# KiCad board haptic display 8x8 aisler.kicad_pcb (continued)
## Routing (per net, layer and track width the routed paths; a pad name or vN(x,y) marks a point on that pad's centre or on a via; arc(x,y) is an arc through that point) (continued)
47.95,68.55 48.22,68.69 48.51,68.81 48.8,68.91 49.09,68.98 49.39,69.04 49.7,69.07 50,69.08 50.3,69.06 50.61,69.02 50.9,68.96 51.2,68.88 51.48,68.78 51.76,68.66 52.03,68.51 52.28,68.35 52.52,68.17 52.75,67.97 52.96,67.75 53.16,67.52 53.33,67.27 53.49,67.02 53.63,66.75 53.75,66.47 53.85,66.19 53.92,65.89 53.97,65.6 54,65.3 54.01,65 54,64.7 53.96,64.4 53.9,64.11 53.82,63.82 53.72,63.54 53.6,63.27 53.46,63 53.3,62.75 53.12,62.51 52.92,62.29 52.71,62.08 52.48,61.89 52.24,61.72 51.99,61.56 51.72,61.43 51.45,61.31 51.17,61.21 50.88,61.14 50.59,61.09 50.3,61.06 50,61.05 49.69,61.07 49.38,61.1 49.08,61.17 48.78,61.26 48.49,61.37 48.22,61.5 47.95,61.65 47.69,61.82 47.45,62.02 47.23,62.23 47.02,62.46 46.83,62.7 46.67,62.96 46.52,63.23 46.39,63.51 46.29,63.79 46.21,64.09 46.15,64.39 46.12,64.69 46.11,65 46.13,65.3 46.17,65.61 46.23,65.91 46.31,66.2 46.42,66.48 46.55,66.76 46.7,67.02 46.88,67.27 47.07,67.51 47.27,67.73 47.5,67.93 47.74,68.11 47.99,68.28 48.25,68.42 48.53,68.55 48.81,68.65 49.1,68.73 49.4,68.78 49.7,68.82 50,68.83 50.3,68.81 50.6,68.77 50.89,68.71 51.18,68.63 51.46,68.52 51.73,68.39 51.99,68.24 52.23,68.07 52.47,67.89 52.68,67.68 52.88,67.46 53.06,67.23 53.23,66.98 53.37,66.72 53.49,66.45 53.59,66.17 53.67,65.88 53.72,65.59 53.75,65.3 53.76,65 53.75,64.71 53.71,64.41 53.65,64.12 53.57,63.84 53.46,63.57 53.34,63.3 53.19,63.05 53.02,62.8 52.84,62.57 52.64,62.36 52.42,62.17 52.19,61.99 51.94,61.83 51.69,61.69 51.42,61.57 51.15,61.47 50.87,61.39 50.58,61.34 50.29,61.31 50,61.3 49.69,61.32 49.39,61.36 49.09,61.42 48.8,61.51 48.52,61.63 48.25,61.76 47.99,61.92 47.74,62.1 47.51,62.3 47.3,62.52 47.11,62.75 46.94,63 46.78,63.26 46.65,63.53 46.55,63.81 46.46,64.1 46.41,64.4 46.37,64.7 46.36,65 46.38,65.3 46.42,65.6 46.48,65.89 46.57,66.18 46.68,66.45 46.82,66.72 46.97,66.98 47.15,67.22 47.35,67.44 47.56,67.65 47.79,67.84 48.03,68.01 48.29,68.16 48.56,68.29 48.83,68.39 49.12,68.48 49.41,68.53 49.7,68.57 50,68.58 50.29,68.56 50.59,68.52 50.88,68.46 51.16,68.37 51.43,68.26 51.69,68.13 51.94,67.97 52.18,67.8 52.4,67.61 52.61,67.4 52.79,67.17 52.96,66.93 53.11,66.68 53.23,66.42 53.33,66.14 53.41,65.86 53.47,65.58 53.5,65.29 53.51,65 53.5,64.71 53.46,64.42 53.4,64.14 53.31,63.86 53.2,63.6 53.07,63.34 52.92,63.09 52.75,62.86 52.56,62.64 52.36,62.44 52.14,62.26 51.9,62.09 51.65,61.95 51.39,61.83 51.12,61.72 50.85,61.65 50.57,61.59 50.29,61.56 50,61.55 49.7,61.57 49.4,61.61 49.11,61.68 48.82,61.77 48.55,61.89 48.29,62.03 48.04,62.19 47.8,62.38 47.58,62.58 47.38,62.8 47.21,63.04 47.05,63.3 46.91,63.56 46.8,63.84 46.72,64.12 46.66,64.41 46.62,64.7 46.61,65 46.63,65.29 46.67,65.59 46.74,65.87 46.83,66.15 46.95,66.42 47.08,66.68 47.25,66.93 47.43,67.16 47.63,67.37 47.84,67.57 48.08,67.74 48.33,67.9 48.59,68.03 48.86,68.14 49.14,68.22 49.42,68.28 49.71,68.32 50,68.33 50.29,68.31 50.58,68.27 50.86,68.2 51.13,68.11 51.4,68 51.65,67.86 51.89,67.7 52.12,67.53 52.33,67.33 52.52,67.11 52.69,66.89 52.84,66.64 52.97,66.39 53.08,66.12 53.16,65.85 53.22,65.57 53.25,65.28 53.26,65 53.25,64.72 53.21,64.43 53.14,64.16 53.05,63.89 52.94,63.63 52.81,63.38 52.65,63.14 52.48,62.92 52.28,62.72 52.07,62.53 51.85,62.36 51.61,62.21 51.36,62.08 51.1,61.98 50.83,61.9 50.56,61.84 50.28,61.81 50,61.8 49.71,61.82 49.41,61.86 49.13,61.93 48.85,62.03 48.58,62.15 48.33,62.3 48.09,62.47 47.86,62.66 47.66,62.87 47.48,63.09 47.31,63.34 47.17,63.59 47.06,63.86 46.97,64.14 46.91,64.42 46.87,64.71 46.86,65 46.88,65.29 46.92,65.58 46.99,65.86 47.09,66.13 47.21,66.39 47.35,66.64 47.52,66.88 47.7,67.09 47.91,67.29 48.13,67.47 48.37,67.63 48.62,67.77 48.88,67.88 49.16,67.97 49.43,68.03 49.72,68.07 50,68.08 50.28,68.06 50.56,68.02 50.84,67.95 51.11,67.85 51.36,67.74 51.61,67.6 51.84,67.43 52.05,67.25 52.25,67.05 52.42,66.83 52.58,66.6 52.71,66.35 52.82,66.09 52.91,65.83 52.97,65.55 53,65.28 53.01,65 53,64.72 52.95,64.45 52.89,64.18 52.8,63.92 52.68,63.67 52.54,63.43 52.38,63.2 52.2,62.99 52.01,62.8 51.79,62.63 51.56,62.47 51.32,62.34 51.07,62.24 50.81,62.15 50.54,62.09 50.27,62.06 50,62.05 49.71,62.07 49.43,62.11 49.15,62.19 48.88,62.29 48.62,62.42 48.37,62.57 48.15,62.74 47.94,62.94 47.75,63.15 47.58,63.38 47.44,63.63 47.32,63.89 47.23,64.16 47.16,64.44 47.12,64.72 47.11,65 47.13,65.28 47.18,65.56 47.25,65.83 47.35,66.1 47.47,66.35 47.62,66.59 47.79,66.81 47.98,67.02 48.19,67.2 48.42,67.37 48.66,67.51 48.91,67.62 49.18,67.71 49.45,67.78 49.72,67.82 50,67.83 50.28,67.81 50.55,67.76 50.82,67.69 51.08,67.6 51.32,67.47 51.56,67.33 51.77,67.16 51.98,66.98 52.16,66.77 52.32,66.55 52.45,66.31 52.57,66.06 52.65,65.81 52.72,65.54 52.75,65.27 52.76,65 52.75,64.73 52.7,64.46 52.63,64.2 52.54,63.95 52.42,63.71 52.28,63.48 52.11,63.26 51.93,63.07 51.73,62.89 51.51,62.74 51.28,62.6 51.04,62.49 50.79,62.41 50.53,62.34 50.27,62.31 50,62.3 49.72,62.32 49.44,62.37 49.17,62.44 48.91,62.55 48.66,62.68 48.43,62.84 48.21,63.02 48.02,63.22 47.85,63.44 47.7,63.67 47.58,63.92 47.48,64.18 47.41,64.45 47.37,64.72 47.36,65 47.38,65.28 47.43,65.55 47.5,65.81 47.61,66.07 47.73,66.31 47.89,66.54 48.06,66.75 48.26,66.94 48.47,67.1 48.7,67.25 48.95,67.37 49.2,67.46 49.46,67.53 49.73,67.57 50,67.58 50.27,67.56 50.53,67.51 50.79,67.44 51.04,67.34 51.28,67.21 51.5,67.06 51.7,66.89 51.89,66.7 52.05,66.49 52.19,66.27 52.31,66.03 52.4,65.78 52.47,65.52 52.5,65.26 52.51,65 52.49,64.74 52.45,64.48 52.38,64.23 52.28,63.98 52.16,63.75 52.01,63.54 51.85,63.34 51.66,63.16 51.45,63 51.24,62.86 51,62.75 50.76,62.66 50.51,62.6 50.26,62.56 50,62.55 49.73,62.57 49.46,62.62 49.2,62.7 48.94,62.81 48.71,62.94 48.49,63.11 48.29,63.29 48.11,63.49 47.96,63.72 47.83,63.96 47.73,64.21 47.66,64.47 47.62,64.73 47.61,65 47.63,65.27 47.68,65.53 47.76,65.78 47.87,66.03 48,66.26 48.15,66.47 48.33,66.67 48.53,66.84 48.75,66.99 48.98,67.11 49.23,67.21 49.48,67.28 49.74,67.31 50,67.33 50.26,67.31 50.52,67.26 50.76,67.18 51,67.08 51.23,66.95 51.43,66.8 51.62,66.62 51.79,66.43 51.93,66.22 52.05,65.99 52.15,65.75 52.21,65.51 52.25,65.25 52.26,65 52.24,64.75 52.2,64.5 52.12,64.26 52.02,64.03 51.9,63.81 51.75,63.61 51.58,63.42 51.39,63.26 51.18,63.12 50.96,63 50.73,62.91 50.49,62.85 50.25,62.81 50,62.8 49.74,62.82 49.48,62.87 49.22,62.96 48.99,63.07 48.76,63.21 48.56,63.37 48.38,63.56 48.22,63.77 48.09,64 47.99,64.24 47.92,64.49 47.87,64.74 47.86,65 47.88,65.26 47.93,65.51 48.01,65.75 48.12,65.98 48.26,66.2 48.42,66.4 48.6,66.57 48.81,66.73 49.03,66.85 49.26,66.95 49.5,67.02 49.75,67.06 50,67.08 50.25,67.06 50.49,67.01 50.73,66.93 50.96,66.82 51.17,66.69 51.36,66.53 51.53,66.35 51.68,66.16 51.8,65.94 51.9,65.72 51.96,65.48 52,65.24 52.01,65 51.99,64.76 51.94,64.52 51.87,64.29 51.76,64.07 51.64,63.87 51.48,63.68 51.31,63.52 51.12,63.38 50.92,63.26 50.7,63.16 50.47,63.1 50.24,63.06 50,63.05 49.75,63.07 49.5,63.13 49.26,63.21 49.04,63.33 48.83,63.47 48.64,63.64 48.48,63.84 48.35,64.05 48.24,64.27 48.17,64.51 48.12,64.75 48.11,65 48.13,65.25 48.19,65.49 48.27,65.72 48.38,65.93 48.52,66.13 48.69,66.31 48.87,66.47 49.08,66.6 49.3,66.7 49.52,66.77 49.76,66.81 50,66.83 50.24,66.8 50.47,66.75 50.69,66.67 50.9,66.56 51.1,66.43 51.27,66.27 51.42,66.09 51.54,65.89 51.64,65.68 51.71,65.46 51.75,65.23 51.76,65 51.74,64.77 51.69,64.55 51.61,64.33 51.51,64.13 51.38,63.94 51.22,63.78 51.05,63.63 50.86,63.51 50.66,63.41 50.44,63.35 50.22,63.31 50,63.3 49.76,63.32 49.52,63.38 49.3,63.47 49.09,63.59 48.91,63.74 48.74,63.91 48.6,64.1 48.49,64.31 48.42,64.54 48.37,64.77 48.36,65 48.38,65.23 48.44,65.46 48.53,65.67 48.64,65.87 48.78,66.05 48.95,66.21 49.14,66.34 49.34,66.45 49.55,66.52 49.78,66.56 50,66.58 50.22,66.55 50.44,66.5 50.65,66.42 50.84,66.31 51.01,66.17 51.16,66.01 51.29,65.83 51.39,65.64 51.46,65.43 51.5,65.22 51.51,65 51.49,64.79 51.44,64.58 51.36,64.38 51.25,64.19 51.12,64.03 50.97,63.88 50.8,63.76 50.61,63.67 50.41,63.6 50.21,63.56 50,63.55 50,63.6 49.63,63.97 49.59,63.98 ; v1(50.35,45) 50,45.35 50,45.55 49.68,45.56 49.37,45.6 49.06,45.66 48.75,45.74 48.45,45.84 48.16,45.97 47.88,46.11 47.61,46.28 47.35,46.46 47.1,46.66 46.88,46.88 46.66,47.11 46.47,47.36 46.29,47.62 46.13,47.89 45.99,48.17 45.88,48.46 45.78,48.76 45.7,49.07 45.65,49.37 45.62,49.69 45.61,50 45.63,50.31 45.66,50.62 45.72,50.93 45.8,51.23 45.9,51.53 46.02,51.82 46.17,52.09 46.33,52.36 46.51,52.61 46.71,52.85 46.92,53.08 47.15,53.29 47.39,53.48 47.65,53.66 47.92,53.81 48.2,53.95 48.48,54.07 48.78,54.16 49.08,54.23 49.38,54.29 49.69,54.32 50,54.33 50.31,54.31 50.61,54.28 50.92,54.22 51.22,54.14 51.51,54.04 51.79,53.92 52.06,53.78 52.33,53.62 52.58,53.44 52.81,53.25 53.04,53.04 53.24,52.81 53.43,52.57 53.6,52.32 53.76,52.05 53.89,51.78 54.01,51.49 54.1,51.2 54.17,50.91 54.22,50.61 54.25,50.3 54.26,50 54.25,49.7 54.21,49.39 54.16,49.1 54.08,48.8 53.98,48.52 53.86,48.24 53.72,47.97 53.57,47.71 53.39,47.46 53.2,47.23 52.99,47.01 52.77,46.8 52.53,46.62 52.28,46.45 52.02,46.3 51.75,46.16 51.47,46.05 51.19,45.96 50.89,45.89 50.6,45.84 50.3,45.81 50,45.8 49.69,45.81 49.37,45.85 49.07,45.91 48.77,46 48.47,46.1 48.19,46.23 47.91,46.38 47.65,46.55 47.4,46.74 47.16,46.94 46.95,47.17 46.74,47.4 46.56,47.66 46.4,47.92 46.26,48.2 46.13,48.48 46.03,48.78 45.96,49.08 45.9,49.38 45.87,49.69 45.86,50 45.88,50.31 45.91,50.62 45.97,50.92 46.06,51.22 46.16,51.51 46.29,51.79 46.43,52.06 46.6,52.32 46.79,52.56 46.99,52.79 47.21,53.01 47.44,53.21 47.69,53.39 47.95,53.55 48.22,53.69 48.51,53.81 48.8,53.91 49.09,53.98 49.39,54.04 49.7,54.07 50,54.08 50.3,54.06 50.61,54.02 50.9,53.96 51.2,53.88 51.48,53.78 51.76,53.66 52.03,53.51 52.28,53.35 52.52,53.17 52.75,52.97 52.96,52.75 53.16,52.52 53.33,52.27 53.49,52.02 53.63,51.75 53.75,51.47 53.85,51.19 53.92,50.89 53.97,50.6 54,50.3 54.01,50 54,49.7 53.96,49.4 53.9,49.11 53.82,48.82 53.72,48.54 53.6,48.27 53.46,48 53.3,47.75 53.12,47.51 52.92,47.29 52.71,47.08 52.48,46.89 52.24,46.72 51.99,46.56 51.72,46.43 51.45,46.31 51.17,46.21 50.88,46.14 50.59,46.09 50.3,46.06 50,46.05 49.69,46.07 49.38,46.1 49.08,46.17 48.78,46.26 48.49,46.37 48.22,46.5 47.95,46.65 47.69,46.82 47.45,47.02 47.23,47.23 47.02,47.46 46.83,47.7 46.67,47.96 46.52,48.23 46.39,48.51 46.29,48.79 46.21,49.09 46.15,49.39 46.12,49.69 46.11,50 46.13,50.3 46.17,50.61 46.23,50.91 46.31,51.2 46.42,51.48 46.55,51.76 46.7,52.02 46.88,52.27 47.07,52.51 47.27,52.73 47.5,52.93 47.74,53.11 47.99,53.28 48.25,53.42 48.53,53.55 48.81,53.65 49.1,53.73 49.4,53.78 49.7,53.82 50,53.83 50.3,53.81 50.6,53.77 50.89,53.71 51.18,53.63 51.46,53.52 51.73,53.39 51.99,53.24 52.23,53.07 52.47,52.89 52.68,52.68 52.88,52.46 53.06,52.23 53.23,51.98 53.37,51.72 53.49,51.45 53.59,51.17 53.67,50.88 53.72,50.59 53.75,50.3 53.76,50 53.75,49.71 53.71,49.41 53.65,49.12 53.57,48.84 53.46,48.57 53.34,48.3 53.19,48.05 53.02,47.8 52.84,47.57 52.64,47.36 52.42,47.17 52.19,46.99 51.94,46.83 51.69,46.69 51.42,46.57 51.15,46.47 50.87,46.39 50.58,46.34 50.29,46.31 50,46.3 49.69,46.32 49.39,46.36 49.09,46.42 48.8,46.51 48.52,46.63 48.25,46.76 47.99,46.92 47.74,47.1 47.51,47.3 47.3,47.52 47.11,47.75 46.94,48 46.78,48.26 46.65,48.53 46.55,48.81 46.46,49.1 46.41,49.4 46.37,49.7 46.36,50 46.38,50.3 46.42,50.6 46.48,50.89 46.57,51.18 46.68,51.45 46.82,51.72 46.97,51.98 47.15,52.22 47.35,52.44 47.56,52.65 47.79,52.84 48.03,53.01 48.29,53.16 48.56,53.29 48.83,53.39 49.12,53.48 49.41,53.53 49.7,53.57 50,53.58 50.29,53.56 50.59,53.52 50.88,53.46 51.16,53.37 51.43,53.26 51.69,53.13 51.94,52.97 52.18,52.8 52.4,52.61 52.61,52.4 52.79,52.17 52.96,51.93 53.11,51.68 53.23,51.42 53.33,51.14 53.41,50.86 53.47,50.58 53.5,50.29 53.51,50 53.5,49.71 53.46,49.42 53.4,49.14 53.31,48.86 53.2,48.6 53.07,48.34 52.92,48.09 52.75,47.86 52.56,47.64 52.36,47.44 52.14,47.26 51.9,47.09 51.65,46.95 51.39,46.83 51.12,46.72 50.85,46.65 50.57,46.59 50.29,46.56 50,46.55 49.7,46.57 49.4,46.61 49.11,46.68 48.82,46.77 48.55,46.89 48.29,47.03 48.04,47.19 47.8,47.38 47.58,47.58 47.38,47.8 47.21,48.04 47.05,48.3 46.91,48.56 46.8,48.84 46.72,49.12 46.66,49.41 46.62,49.7 46.61,50 46.63,50.29 46.67,50.59 46.74,50.87 46.83,51.15 46.95,51.42 47.08,51.68 47.25,51.93 47.43,52.16 47.63,52.37 47.84,52.57 48.08,52.74 48.33,52.9 48.59,53.03 48.86,53.14 49.14,53.22 49.42,53.28 49.71,53.32 50,53.33 50.29,53.31 50.58,53.27 50.86,53.2 51.13,53.11 51.4,53 51.65,52.86 51.89,52.7 52.12,52.53 52.33,52.33 52.52,52.11 52.69,51.89 52.84,51.64 52.97,51.39 53.08,51.12 53.16,50.85 53.22,50.57 53.25,50.28 53.26,50 53.25,49.72 53.21,49.43 53.14,49.16 53.05,48.89 52.94,48.63 52.81,48.38 52.65,48.14 52.48,47.92 52.28,47.72 52.07,47.53 51.85,47.36 51.61,47.21 51.36,47.08 51.1,46.98 50.83,46.9 50.56,46.84 50.28,46.81 50,46.8 49.71,46.82 49.41,46.86 49.13,46.93 48.85,47.03 48.58,47.15 48.33,47.3 48.09,47.47 47.86,47.66 47.66,47.87 47.48,48.09 47.31,48.34 47.17,48.59 47.06,48.86 46.97,49.14 46.91,49.42 46.87,49.71 46.86,50 46.88,50.29 46.92,50.58 46.99,50.86 47.09,51.13 47.21,51.39 47.35,51.64 47.52,51.88 47.7,52.09 47.91,52.29 48.13,52.47 48.37,52.63 48.62,52.77 48.88,52.88 49.16,52.97 49.43,53.03 49.72,53.07 50,53.08 50.28,53.06 50.56,53.02 50.84,52.95 51.11,52.85 51.36,52.74 51.61,52.6 51.84,52.43 52.05,52.25 52.25,52.05 52.42,51.83 52.58,51.6 52.71,51.35 52.82,51.09 52.91,50.83 52.97,50.55 53,50.28 53.01,50 53,49.72 52.95,49.45 52.89,49.18 52.8,48.92 52.68,48.67 52.54,48.43 52.38,48.2 52.2,47.99 52.01,47.8 51.79,47.63 51.56,47.47 51.32,47.34 51.07,47.24 50.81,47.15 50.54,47.09 50.27,47.06 50,47.05 49.71,47.07 49.43,47.11 49.15,47.19 48.88,47.29 48.62,47.42 48.37,47.57 48.15,47.74 47.94,47.94 47.75,48.15 47.58,48.38 47.44,48.63 47.32,48.89 47.23,49.16 47.16,49.44 47.12,49.72 47.11,50 47.13,50.28 47.18,50.56 47.25,50.83 47.35,51.1 47.47,51.35 47.62,51.59 47.79,51.81 47.98,52.02 48.19,52.2 48.42,52.37 48.66,52.51 48.91,52.62 49.18,52.71 49.45,52.78 49.72,52.82 50,52.83 50.28,52.81 50.55,52.76 50.82,52.69 51.08,52.6 51.32,52.47 51.56,52.33 51.77,52.16 51.98,51.98 52.16,51.77 52.32,51.55 52.45,51.31 52.57,51.06 52.65,50.81 52.72,50.54 52.75,50.27 52.76,50 52.75,49.73 52.7,49.46 52.63,49.2 52.54,48.95 52.42,48.71 52.28,48.48 52.11,48.26 51.93,48.07 51.73,47.89 51.51,47.74 51.28,47.6 51.04,47.49 50.79,47.41 50.53,47.34 50.27,47.31 50,47.3 49.72,47.32 49.44,47.37 49.17,47.44 48.91,47.55 48.66,47.68 48.43,47.84 48.21,48.02 48.02,48.22 47.85,48.44 47.7,48.67 47.58,48.92 47.48,49.18 47.41,49.45 47.37,49.72 47.36,50 47.38,50.28 47.43,50.55 47.5,50.81 47.61,51.07 47.73,51.31 47.89,51.54 48.06,51.75 48.26,51.94 48.47,52.1 48.7,52.25 48.95,52.37 49.2,52.46 49.46,52.53 49.73,52.57 50,52.58 50.27,52.56 50.53,52.51 50.79,52.44 51.04,52.34 51.28,52.21 51.5,52.06 51.7,51.89 51.89,51.7 52.05,51.49 52.19,51.27 52.31,51.03 52.4,50.78 52.47,50.52 52.5,50.26 52.51,50 52.49,49.74 52.45,49.48 52.38,49.23 52.28,48.98 52.16,48.75 52.01,48.54 51.85,48.34 51.66,48.16 51.45,48 51.24,47.86 51,47.75 50.76,47.66 50.51,47.6 50.26,47.56 50,47.55 49.73,47.57 49.46,47.62 49.2,47.7 48.94,47.81 48.71,47.94 48.49,48.11 48.29,48.29 48.11,48.49 47.96,48.72 47.83,48.96 47.73,49.21 47.66,49.47 47.62,49.73 47.61,50 47.63,50.27 47.68,50.53 47.76,50.78 47.87,51.03 48,51.26 48.15,51.47 48.33,51.67 48.53,51.84 48.75,51.99 48.98,52.11 49.23,52.21 49.48,52.28 49.74,52.31 50,52.33 50.26,52.31 50.52,52.26 50.76,52.18 51,52.08 51.23,51.95 51.43,51.8 51.62,51.62 51.79,51.43 51.93,51.22 52.05,50.99 52.15,50.75 52.21,50.51 52.25,50.25 52.26,50 52.24,49.75 52.2,49.5 52.12,49.26 52.02,49.03 51.9,48.81 51.75,48.61 51.58,48.42 51.39,48.26 51.18,48.12 50.96,48 50.73,47.91 50.49,47.85 50.25,47.81 50,47.8 49.74,47.82 49.48,47.87 49.22,47.96 48.99,48.07 48.76,48.21 48.56,48.37 48.38,48.56 48.22,48.77 48.09,49 47.99,49.24 47.92,49.49 47.87,49.74 47.86,50 47.88,50.26 47.93,50.51 48.01,50.75 48.12,50.98 48.26,51.2 48.42,51.4 48.6,51.57 48.81,51.73 49.03,51.85 49.26,51.95 49.5,52.02 49.75,52.06 50,52.08 50.25,52.06 50.49,52.01 50.73,51.93 50.96,51.82 51.17,51.69 51.36,51.53 51.53,51.35 51.68,51.16 51.8,50.94 51.9,50.72 51.96,50.48 52,50.24 52.01,50 51.99,49.76 51.94,49.52 51.87,49.29 51.76,49.07 51.64,48.87 51.48,48.68 51.31,48.52 51.12,48.38 50.92,48.26 50.7,48.16 50.47,48.1 50.24,48.06 50,48.05 49.75,48.07 49.5,48.13 49.26,48.21 49.04,48.33 48.83,48.47 48.64,48.64 48.48,48.84 48.35,49.05 48.24,49.27 48.17,49.51 48.12,49.75 48.11,50 48.13,50.25 48.19,50.49 48.27,50.72 48.38,50.93 48.52,51.13 48.69,51.31 48.87,51.47 49.08,51.6 49.3,51.7 49.52,51.77 49.76,51.81 50,51.83 50.24,51.8 50.47,51.75 50.69,51.67 50.9,51.56 51.1,51.43 51.27,51.27 51.42,51.09 51.54,50.89 51.64,50.68 51.71,50.46 51.75,50.23 51.76,50 51.74,49.77 51.69,49.55 51.61,49.33 51.51,49.13 51.38,48.94 51.22,48.78 51.05,48.63 50.86,48.51 50.66,48.41 50.44,48.35 50.22,48.31 50,48.3 49.76,48.32 49.52,48.38 49.3,48.47 49.09,48.59 48.91,48.74 48.74,48.91 48.6,49.1 48.49,49.31 48.42,49.54 48.37,49.77 48.36,50 48.38,50.23 48.44,50.46 48.53,50.67 48.64,50.87 48.78,51.05 48.95,51.21 49.14,51.34 49.34,51.45 49.55,51.52 49.78,51.56 50,51.58 50.22,51.55 50.44,51.5 50.65,51.42 50.84,51.31 51.01,51.17 51.16,51.01 51.29,50.83 51.39,50.64 51.46,50.43 51.5,50.22 51.51,50 51.49,49.79 51.44,49.58 51.36,49.38 51.25,49.19 51.12,49.03 50.97,48.88 50.8,48.76 50.61,48.67 50.41,48.6 50.21,48.56 50,48.55 50,48.6 49.63,48.97 49.59,48.98 ; v1(50.35,30) 50,30.35 50,30.55 49.68,30.56 49.37,30.6 49.06,30.66 48.75,30.74 48.45,30.84 48.16,30.97 47.88,31.11 47.61,31.28 47.35,31.46 47.1,31.66 46.88,31.88 46.66,32.11 46.47,32.36 46.29,32.62 46.13,32.89 45.99,33.17 45.88,33.46 45.78,33.76 45.7,34.07 45.65,34.37 45.62,34.69 45.61,35 45.63,35.31 45.66,35.62 45.72,35.93 45.8,36.23 45.9,36.53 46.02,36.82 46.17,37.09 46.33,37.36 46.51,37.61 46.71,37.85 46.92,38.08 47.15,38.29 47.39,38.48 47.65,38.66 47.92,38.81 48.2,38.95 48.48,39.07 48.78,39.16 49.08,39.23 49.38,39.29 49.69,39.32 50,39.32 50.31,39.31 50.61,39.28 50.92,39.22 51.22,39.14 51.51,39.04 51.79,38.92 52.06,38.78 52.33,38.62 52.58,38.44 52.81,38.25 53.04,38.04 53.24,37.81 53.43,37.57 53.6,37.32 53.76,37.05 53.89,36.78 54.01,36.49 54.1,36.2 54.17,35.91 54.22,35.61 54.25,35.3 54.26,35 54.25,34.7 54.21,34.39 54.16,34.1 54.08,33.8 53.98,33.52 53.86,33.24 53.72,32.97 53.57,32.71 53.39,32.46 53.2,32.23 52.99,32.01 52.77,31.8 52.53,31.62 52.28,31.45 52.02,31.3 51.75,31.16 51.47,31.05 51.19,30.96 50.89,30.89 50.6,30.84 50.3,30.81 50,30.8 49.69,30.81 49.37,30.85 49.07,30.91 48.77,31 48.47,31.1 48.19,31.23 47.91,31.38 47.65,31.55 47.4,31.74 47.16,31.94 46.95,32.17 46.74,32.4 46.56,32.66 46.4,32.92 46.26,33.2 46.13,33.48 46.03,33.78 45.96,34.08 45.9,34.38 45.87,34.69 45.86,35 45.88,35.31 45.91,35.62 45.97,35.92 46.06,36.22 46.16,36.51 46.29,36.79 46.43,37.06 46.6,37.32 46.79,37.56 46.99,37.79 47.21,38.01 47.44,38.21 47.69,38.39 47.95,38.55 48.22,38.69 48.51,38.81 48.8,38.91 49.09,38.98 49.39,39.04 49.7,39.07 50,39.07 50.3,39.06 50.61,39.02 50.9,38.96 51.2,38.88 51.48,38.78 51.76,38.66 52.03,38.51 52.28,38.35 52.52,38.17 52.75,37.97 52.96,37.75 53.16,37.52 53.33,37.27 53.49,37.02 53.63,36.75 53.75,36.47 53.85,36.19 53.92,35.89 53.97,35.6 54,35.3 54.01,35 54,34.7 53.96,34.4 53.9,34.11 53.82,33.82 53.72,33.54 53.6,33.27 53.46,33 53.3,32.75 53.12,32.51 52.92,32.29 52.71,32.08 52.48,31.89 52.24,31.72 51.99,31.56 51.72,31.43 51.45,31.31 51.17,31.21 50.88,31.14 50.59,31.09 50.3,31.06 50,31.05 49.69,31.07 49.38,31.1 49.08,31.17 48.78,31.26 48.49,31.37 48.22,31.5 47.95,31.65 47.69,31.82 47.45,32.02 47.23,32.23 47.02,32.46 46.83,32.7 46.67,32.96 46.52,33.23 46.39,33.51 46.29,33.79 46.21,34.09 46.15,34.39 46.12,34.69 46.11,35 46.13,35.3 46.17,35.61 46.23,35.91 46.31,36.2 46.42,36.48 46.55,36.76 46.7,37.02 46.88,37.27 47.07,37.51 47.27,37.73 47.5,37.93 47.74,38.11 47.99,38.28 48.25,38.42 48.53,38.55 48.81,38.65 49.1,38.73 49.4,38.78 49.7,38.82 50,38.82 50.3,38.81 50.6,38.77 50.89,38.71 51.18,38.63 51.46,38.52 51.73,38.39 51.99,38.24 52.23,38.07 52.47,37.89 52.68,37.68 52.88,37.46 53.06,37.23 53.23,36.98 53.37,36.72 53.49,36.45 53.59,36.17 53.67,35.88 53.72,35.59 53.75,35.3 53.76,35 53.75,34.71 53.71,34.41 53.65,34.12 53.57,33.84 53.46,33.57 53.34,33.3 53.19,33.05 53.02,32.8 52.84,32.57 52.64,32.36 52.42,32.17 52.19,31.99 51.94,31.83 51.69,31.69 51.42,31.57 51.15,31.47 50.87,31.39 50.58,31.34 50.29,31.31 50,31.3 49.69,31.32 49.39,31.36 49.09,31.42 48.8,31.51 48.52,31.63 48.25,31.76 47.99,31.92 47.74,32.1 47.51,32.3 47.3,32.52 47.11,32.75 46.94,33 46.78,33.26 46.65,33.53 46.55,33.81 46.46,34.1 46.41,34.4 46.37,34.7 46.36,35 46.38,35.3 46.42,35.6 46.48,35.89 46.57,36.18 46.68,36.45 46.82,36.72 46.97,36.98 47.15,37.22 47.35,37.44 47.56,37.65 47.79,37.84 48.03,38.01 48.29,38.16 48.56,38.29 48.83,38.39 49.12,38.48 49.41,38.53 49.7,38.57 50,38.57 50.29,38.56 50.59,38.52 50.88,38.46 51.16,38.37 51.43,38.26 51.69,38.13 51.94,37.97 52.18,37.8 52.4,37.61 52.61,37.4 52.79,37.17 52.96,36.93 53.11,36.68 53.23,36.42 53.33,36.14 53.41,35.86 53.47,35.58 53.5,35.29 53.51,35 53.5,34.71 53.46,34.42 53.4,34.14 53.31,33.86 53.2,33.6 53.07,33.34 52.92,33.09 52.75,32.86 52.56,32.64 52.36,32.44 52.14,32.26 51.9,32.09 51.65,31.95 51.39,31.83 51.12,31.72 50.85,31.65 50.57,31.59 50.29,31.56 50,31.55 49.7,31.57 49.4,31.61 49.11,31.68 48.82,31.77 48.55,31.89 48.29,32.03 48.04,32.19 47.8,32.38 47.58,32.58 47.38,32.8 47.21,33.04 47.05,33.3 46.91,33.56 46.8,33.84 46.72,34.12 46.66,34.41 46.62,34.7 46.61,35 46.63,35.29 46.67,35.59 46.74,35.87 46.83,36.15 46.95,36.42 47.08,36.68 47.25,36.93 47.43,37.16 47.63,37.37 47.84,37.57 48.08,37.74 48.33,37.9 48.59,38.03 48.86,38.14 49.14,38.22 49.42,38.28 49.71,38.32 50,38.32 50.29,38.31 50.58,38.27 50.86,38.2 51.13,38.11 51.4,38 51.65,37.86 51.89,37.7 52.12,37.53 52.33,37.33 52.52,37.11 52.69,36.89 52.84,36.64 52.97,36.39 53.08,36.12 53.16,35.85 53.22,35.57 53.25,35.28 53.26,35 53.25,34.72 53.21,34.43 53.14,34.16 53.05,33.89 52.94,33.63 52.81,33.38 52.65,33.14 52.48,32.92 52.28,32.72 52.07,32.53 51.85,32.36 51.61,32.21 51.36,32.08 51.1,31.98 50.83,31.9 50.56,31.84 50.28,31.81 50,31.8 49.71,31.82 49.41,31.86 49.13,31.93 48.85,32.03 48.58,32.15 48.33,32.3 48.09,32.47 47.86,32.66 47.66,32.87 47.48,33.09 47.31,33.34 47.17,33.59 47.06,33.86 46.97,34.14 46.91,34.42 46.87,34.71 46.86,35 46.88,35.29 46.92,35.58 46.99,35.86 47.09,36.13 47.21,36.39 47.35,36.64 47.52,36.88 47.7,37.09 47.91,37.29 48.13,37.47 48.37,37.63 48.62,37.77 48.88,37.88 49.16,37.97 49.43,38.03 49.72,38.07 50,38.07 50.28,38.06 50.56,38.02 50.84,37.95 51.11,37.85 51.36,37.74 51.61,37.6 51.84,37.43 52.05,37.25 52.25,37.05 52.42,36.83 52.58,36.6 52.71,36.35 52.82,36.09 52.91,35.83 52.97,35.55 53,35.28 53.01,35 53,34.72 52.95,34.45 52.89,34.18 52.8,33.92 52.68,33.67 52.54,33.43 52.38,33.2 52.2,32.99 52.01,32.8 51.79,32.63 51.56,32.47 51.32,32.34 51.07,32.24 50.81,32.15 50.54,32.09 50.27,32.06 50,32.05 49.71,32.07 49.43,32.11 49.15,32.19 48.88,32.29 48.62,32.42 48.37,32.57 48.15,32.74 47.94,32.94 47.75,33.15 47.58,33.38 47.44,33.63 47.32,33.89 47.23,34.16 47.16,34.44 47.12,34.72 47.11,35 47.13,35.28 47.18,35.56 47.25,35.83 47.35,36.1 47.47,36.35 47.62,36.59 47.79,36.81 47.98,37.02 48.19,37.2 48.42,37.37 48.66,37.51 48.91,37.62 49.18,37.71 49.45,37.78 49.72,37.82 50,37.82 50.28,37.81 50.55,37.76 50.82,37.69 51.08,37.6 51.32,37.47 51.56,37.33 51.77,37.16 51.98,36.98 52.16,36.77 52.32,36.55 52.45,36.31 52.57,36.06 52.65,35.81 52.72,35.54 52.75,35.27 52.76,35 52.75,34.73 52.7,34.46 52.63,34.2 52.54,33.95 52.42,33.71 52.28,33.48 52.11,33.26 51.93,33.07 51.73,32.89 51.51,32.74 51.28,32.6 51.04,32.49 50.79,32.41 50.53,32.34 50.27,32.31 50,32.3 49.72,32.32 49.44,32.37 49.17,32.44 48.91,32.55 48.66,32.68 48.43,32.84 48.21,33.02 48.02,33.22 47.85,33.44 47.7,33.67 47.58,33.92 47.48,34.18 47.41,34.45 47.37,34.72 47.36,35 47.38,35.28 47.43,35.55 47.5,35.81 47.61,36.07 47.73,36.31 47.89,36.54 48.06,36.75 48.26,36.94 48.47,37.1 48.7,37.25 48.95,37.37 49.2,37.46 49.46,37.53 49.73,37.57 50,37.57 50.27,37.56 50.53,37.51 50.79,37.44 51.04,37.34 51.28,37.21 51.5,37.06 51.7,36.89 51.89,36.7 52.05,36.49 52.19,36.27 52.31,36.03 52.4,35.78 52.47,35.52 52.5,35.26 52.51,35 52.49,34.74 52.45,34.48 52.38,34.23 52.28,33.98 52.16,33.75 52.01,33.54 51.85,33.34 51.66,33.16 51.45,33 51.24,32.86 51,32.75 50.76,32.66 50.51,32.6 50.26,32.56 50,32.55 49.73,32.57 49.46,32.62 49.2,32.7 48.94,32.81 48.71,32.94 48.49,33.11 48.29,33.29 48.11,33.49 47.96,33.72 47.83,33.96 47.73,34.21 47.66,34.47 47.62,34.73 47.61,35 47.63,35.27 47.68,35.53 47.76,35.78 47.87,36.03 48,36.26 48.15,36.47 48.33,36.67 48.53,36.84 48.75,36.99 48.98,37.11 49.23,37.21 49.48,37.28 49.74,37.31 50,37.32 50.26,37.31 50.52,37.26 50.76,37.18 51,37.08 51.23,36.95 51.43,36.8 51.62,36.62 51.79,36.43 51.93,36.22 52.05,35.99 52.15,35.75 52.21,35.51 52.25,35.25 52.26,35 52.24,34.75 52.2,34.5 52.12,34.26 52.02,34.03 51.9,33.81 51.75,33.61 51.58,33.42 51.39,33.26 51.18,33.12 50.96,33 50.73,32.91 50.49,32.85 50.25,32.81 50,32.8 49.74,32.82 49.48,32.87 49.22,32.96 48.99,33.07 48.76,33.21 48.56,33.37 48.38,33.56 48.22,33.77 48.09,34 47.99,34.24 47.92,34.49 47.87,34.74 47.86,35 47.88,35.26 47.93,35.51 48.01,35.75 48.12,35.98 48.26,36.2 48.42,36.4 48.6,36.57 48.81,36.73 49.03,36.85 49.26,36.95 49.5,37.02 49.75,37.06 50,37.07 50.25,37.06 50.49,37.01 50.73,36.93 50.96,36.82 51.17,36.69 51.36,36.53 51.53,36.35 51.68,36.16 51.8,35.94 51.9,35.72 51.96,35.48 52,35.24 52.01,35 51.99,34.76 51.94,34.52 51.87,34.29 51.76,34.07 51.64,33.87 51.48,33.68 51.31,33.52 51.12,33.38 50.92,33.26 50.7,33.16 50.47,33.1 50.24,33.06 50,33.05 49.75,33.07 49.5,33.13 49.26,33.21 49.04,33.33 48.83,33.47 48.64,33.64 48.48,33.84 48.35,34.05 48.24,34.27 48.17,34.51 48.12,34.75 48.11,35 48.13,35.25 48.19,35.49 48.27,35.72 48.38,35.93 48.52,36.13 48.69,36.31 48.87,36.47 49.08,36.6 49.3,36.7 49.52,36.77 49.76,36.81 50,36.82 50.24,36.8 50.47,36.75 50.69,36.67 50.9,36.56 51.1,36.43 51.27,36.27 51.42,36.09 51.54,35.89 51.64,35.68 51.71,35.46 51.75,35.23 51.76,35 51.74,34.77 51.69,34.55 51.61,34.33 51.51,34.13 51.38,33.94 51.22,33.78 51.05,33.63 50.86,33.51 50.66,33.41 50.44,33.35 50.22,33.31 50,33.3 49.76,33.32 49.52,33.38 49.3,33.47 49.09,33.59 48.91,33.74 48.74,33.91 48.6,34.1 48.49,34.31 48.42,34.54 48.37,34.77 48.36,35 48.38,35.23 48.44,35.46 48.53,35.67 48.64,35.87 48.78,36.05 48.95,36.21 49.14,36.34 49.34,36.45 49.55,36.52 49.78,36.56 50,36.57 50.22,36.55 50.44,36.5 50.65,36.42 50.84,36.31 51.01,36.17 51.16,36.01 51.29,35.83 51.39,35.64 51.46,35.43 51.5,35.22 51.51,35 51.49,34.79 51.44,34.58 51.36,34.38 51.25,34.19 51.12,34.03 50.97,33.88 50.8,33.76 50.61,33.67 50.41,33.6 50.21,33.56 50,33.55 50,33.6 49.63,33.97 49.59,33.98 ; v1(50.35,15) 50,15.35 50,15.55 49.68,15.56 49.37,15.6 49.06,15.66 48.75,15.74 48.45,15.84 48.16,15.97 47.88,16.11 47.61,16.28 47.35,16.46 47.1,16.66 46.88,16.88 46.66,17.11 46.47,17.36 46.29,17.62 46.13,17.89 45.99,18.17 45.88,18.46 45.78,18.76 45.7,19.07 45.65,19.37 45.62,19.69 45.61,20 45.63,20.31 45.66,20.62 45.72,20.93 45.8,21.23 45.9,21.53 46.02,21.82 46.17,22.09 46.33,22.36 46.51,22.61 46.71,22.85 46.92,23.08 47.15,23.29 47.39,23.48 47.65,23.66 47.92,23.81 48.2,23.95 48.48,24.07 48.78,24.16 49.08,24.23 49.38,24.29 49.69,24.32 50,24.32 50.31,24.31 50.61,24.28 50.92,24.22 51.22,24.14 51.51,24.04 51.79,23.92 52.06,23.78 52.33,23.62 52.58,23.44 52.81,23.25 53.04,23.04 53.24,22.81 53.43,22.57 53.6,22.32 53.76,22.05 53.89,21.78 54.01,21.49 54.1,21.2 54.17,20.91 54.22,20.61 54.25,20.3 54.26,20 54.25,19.7 54.21,19.39 54.16,19.1 54.08,18.8 53.98,18.52 53.86,18.24 53.72,17.97 53.57,17.71 53.39,17.46 53.2,17.23 52.99,17.01 52.77,16.8 52.53,16.62 52.28,16.45 52.02,16.3 51.75,16.16 51.47,16.05 51.19,15.96 50.89,15.89 50.6,15.84 50.3,15.81 50,15.8 49.69,15.81 49.37,15.85 49.07,15.91 48.77,16 48.47,16.1 48.19,16.23 47.91,16.38 47.65,16.55 47.4,16.74 47.16,16.94 46.95,17.17 46.74,17.4 46.56,17.66 46.4,17.92 46.26,18.2 46.13,18.48 46.03,18.78 45.96,19.08 45.9,19.38 45.87,19.69 45.86,20 45.88,20.31 45.91,20.62 45.97,20.92 46.06,21.22 46.16,21.51 46.29,21.79 46.43,22.06 46.6,22.32 46.79,22.56 46.99,22.79 47.21,23.01 47.44,23.21 47.69,23.39 47.95,23.55 48.22,23.69 48.51,23.81 48.8,23.91 49.09,23.98 49.39,24.04 49.7,24.07 50,24.07 50.3,24.06 50.61,24.02 50.9,23.96 51.2,23.88 51.48,23.78 51.76,23.66 52.03,23.51 52.28,23.35 52.52,23.17 52.75,22.97 52.96,22.75 53.16,22.52 53.33,22.27 53.49,22.02 53.63,21.75 53.75,21.47 53.85,21.19 53.92,20.89 53.97,20.6 54,20.3 54.01,20 54,19.7 53.96,19.4 53.9,19.11 53.82,18.82 53.72,18.54 53.6,18.27 53.46,18 53.3,17.75 53.12,17.51 52.92,17.29 52.71,17.08 52.48,16.89 52.24,16.72 51.99,16.56 51.72,16.43 51.45,16.31 51.17,16.21 50.88,16.14 50.59,16.09 50.3,16.06 50,16.05 49.69,16.07 49.38,16.1 49.08,16.17 48.78,16.26 48.49,16.37 48.22,16.5 47.95,16.65 47.69,16.82 47.45,17.02 47.23,17.23 47.02,17.46 46.83,17.7 46.67,17.96 46.52,18.23 46.39,18.51 46.29,18.79 46.21,19.09 46.15,19.39 46.12,19.69 46.11,20 46.13,20.3 46.17,20.61 46.23,20.91 46.31,21.2 46.42,21.48 46.55,21.76 46.7,22.02 46.88,22.27 47.07,22.51 47.27,22.73 47.5,22.93 47.74,23.11 47.99,23.28 48.25,23.42 48.53,23.55 48.81,23.65 49.1,23.73 49.4,23.78 49.7,23.82 50,23.82 50.3,23.81 50.6,23.77 50.89,23.71 51.18,23.63 51.46,23.52 51.73,23.39 51.99,23.24 52.23,23.07 52.47,22.89 52.68,22.68 52.88,22.46 53.06,22.23 53.23,21.98 53.37,21.72 53.49,21.45 53.59,21.17 53.67,20.88 53.72,20.59 53.75,20.3 53.76,20 53.75,19.71 53.71,19.41 53.65,19.12 53.57,18.84 53.46,18.57 53.34,18.3 53.19,18.05 53.02,17.8 52.84,17.57 52.64,17.36 52.42,17.17 52.19,16.99 51.94,16.83 51.69,16.69 51.42,16.57 51.15,16.47 50.87,16.39 50.58,16.34 50.29,16.31 50,16.3 49.69,16.32 49.39,16.36 49.09,16.42 48.8,16.51 48.52,16.63 48.25,16.76 47.99,16.92 47.74,17.1 47.51,17.3 47.3,17.52 47.11,17.75 46.94,18 46.78,18.26 46.65,18.53 46.55,18.81 46.46,19.1 46.41,19.4 46.37,19.7 46.36,20 46.38,20.3 46.42,20.6 46.48,20.89 46.57,21.18 46.68,21.45 46.82,21.72 46.97,21.98 47.15,22.22 47.35,22.44 47.56,22.65 47.79,22.84 48.03,23.01 48.29,23.16 48.56,23.29 48.83,23.39 49.12,23.48 49.41,23.53 49.7,23.57 50,23.57 50.29,23.56 50.59,23.52 50.88,23.46 51.16,23.37 51.43,23.26 51.69,23.13 51.94,22.97 52.18,22.8 52.4,22.61 52.61,22.4 52.79,22.17 52.96,21.93 53.11,21.68 53.23,21.42 53.33,21.14 53.41,20.86 53.47,20.58 53.5,20.29 53.51,20 53.5,19.71 53.46,19.42 53.4,19.14 53.31,18.86 53.2,18.6 53.07,18.34 52.92,18.09 52.75,17.86 52.56,17.64 52.36,17.44 52.14,17.26 51.9,17.09 51.65,16.95 51.39,16.83 51.12,16.72 50.85,16.65 50.57,16.59 50.29,16.56 50,16.55 49.7,16.57 49.4,16.61 49.11,16.68 48.82,16.77 48.55,16.89 48.29,17.03 48.04,17.19 47.8,17.38 47.58,17.58 47.38,17.8 47.21,18.04 47.05,18.3 46.91,18.56 46.8,18.84 46.72,19.12 46.66,19.41 46.62,19.7 46.61,20 46.63,20.29 46.67,20.59 46.74,20.87 46.83,21.15 46.95,21.42 47.08,21.68 47.25,21.93 47.43,22.16 47.63,22.37 47.84,22.57 48.08,22.74 48.33,22.9 48.59,23.03 48.86,23.14 49.14,23.22 49.42,23.28 49.71,23.32 50,23.32 50.29,23.31 50.58,23.27 50.86,23.2 51.13,23.11 51.4,23 51.65,22.86 51.89,22.7 52.12,22.53 52.33,22.33 52.52,22.11 52.69,21.89 52.84,21.64 52.97,21.39 53.08,21.12 53.16,20.85 53.22,20.57 53.25,20.28 53.26,20 53.25,19.72 53.21,19.43 53.14,19.16 53.05,18.89 52.94,18.63 52.81,18.38 52.65,18.14 52.48,17.92 52.28,17.72 52.07,17.53 51.85,17.36 51.61,17.21 51.36,17.08 51.1,16.98 50.83,16.9 50.56,16.84 50.28,16.81 50,16.8 49.71,16.82 49.41,16.86 49.13,16.93 48.85,17.03 48.58,17.15 48.33,17.3 48.09,17.47 47.86,17.66 47.66,17.87 47.48,18.09 47.31,18.34 47.17,18.59 47.06,18.86 46.97,19.14 46.91,19.42 46.87,19.71 46.86,20 46.88,20.29 46.92,20.58 46.99,20.86 47.09,21.13 47.21,21.39 47.35,21.64 47.52,21.88 47.7,22.09 47.91,22.29 48.13,22.47 48.37,22.63 48.62,22.77 48.88,22.88 49.16,22.97 49.43,23.03 49.72,23.07 50,23.07 50.28,23.06 50.56,23.02 50.84,22.95 51.11,22.85 51.36,22.74 51.61,22.6 51.84,22.43 52.05,22.25 52.25,22.05 52.42,21.83 52.58,21.6 52.71,21.35 52.82,21.09 52.91,20.83 52.97,20.55 53,20.28 53.01,20 53,19.72 52.95,19.45 52.89,19.18 52.8,18.92 52.68,18.67 52.54,18.43 52.38,18.2 52.2,17.99 52.01,17.8 51.79,17.63 51.56,17.47 51.32,17.34 51.07,17.24 50.81,17.15 50.54,17.09 50.27,17.06 50,17.05 49.71,17.07 49.43,17.11 49.15,17.19 48.88,17.29 48.62,17.42 48.37,17.57 48.15,17.74 47.94,17.94 47.75,18.15 47.58,18.38 47.44,18.63 47.32,18.89 47.23,19.16 47.16,19.44 47.12,19.72 47.11,20 47.13,20.28 47.18,20.56 47.25,20.83 47.35,21.1 47.47,21.35 47.62,21.59 47.79,21.81 47.98,22.02 48.19,22.2 48.42,22.37 48.66,22.51 48.91,22.62 49.18,22.71 49.45,22.78 49.72,22.82 50,22.82 50.28,22.81 50.55,22.76 50.82,22.69 51.08,22.6 51.32,22.47 51.56,22.33 51.77,22.16 51.98,21.98 52.16,21.77 52.32,21.55 52.45,21.31 52.57,21.06 52.65,20.81 52.72,20.54 52.75,20.27 52.76,20 52.75,19.73 52.7,19.46 52.63,19.2 52.54,18.95 52.42,18.71 52.28,18.48 52.11,18.26 51.93,18.07 51.73,17.89 51.51,17.74 51.28,17.6 51.04,17.49 50.79,17.41 50.53,17.34 50.27,17.31 50,17.3 49.72,17.32 49.44,17.37 49.17,17.44 48.91,17.55 48.66,17.68 48.43,17.84 48.21,18.02 48.02,18.22 47.85,18.44 47.7,18.67 47.58,18.92 47.48,19.18 47.41,19.45 47.37,19.72 47.36,20 47.38,20.28 47.43,20.55 47.5,20.81 47.61,21.07 47.73,21.31 47.89,21.54 48.06,21.75 48.26,21.94 48.47,22.1 48.7,22.25 48.95,22.37 49.2,22.46 49.46,22.53 49.73,22.57 50,22.57 50.27,22.56 50.53,22.51 50.79,22.44 51.04,22.34 51.28,22.21 51.5,22.06 51.7,21.89 51.89,21.7 52.05,21.49 52.19,21.27 52.31,21.03 52.4,20.78 52.47,20.52 52.5,20.26 52.51,20 52.49,19.74 52.45,19.48 52.38,19.23 52.28,18.98 52.16,18.75 52.01,18.54 51.85,18.34 51.66,18.16 51.45,18 51.24,17.86 51,17.75 50.76,17.66 50.51,17.6 50.26,17.56 50,17.55 49.73,17.57 49.46,17.62 49.2,17.7 48.94,17.81 48.71,17.94 48.49,18.11 48.29,18.29 48.11,18.49 47.96,18.72 47.83,18.96 47.73,19.21 47.66,19.47 47.62,19.73 47.61,20 47.63,20.27 47.68,20.53 47.76,20.78 47.87,21.03 48,21.26 48.15,21.47 48.33,21.67 48.53,21.84 48.75,21.99 48.98,22.11 49.23,22.21 49.48,22.28 49.74,22.31 50,22.32 50.26,22.31 50.52,22.26 50.76,22.18 51,22.08 51.23,21.95 51.43,21.8 51.62,21.62 51.79,21.43 51.93,21.22 52.05,20.99 52.15,20.75 52.21,20.51 52.25,20.25 52.26,20 52.24,19.75 52.2,19.5 52.12,19.26 52.02,19.03 51.9,18.81 51.75,18.61 51.58,18.42 51.39,18.26 51.18,18.12 50.96,18 50.73,17.91 50.49,17.85 50.25,17.81 50,17.8 49.74,17.82 49.48,17.87 49.22,17.96 48.99,18.07 48.76,18.21 48.56,18.37 48.38,18.56 48.22,18.77 48.09,19 47.99,19.24 47.92,19.49 47.87,19.74 47.86,20 47.88,20.26 47.93,20.51 48.01,20.75 48.12,20.98 48.26,21.2 48.42,21.4 48.6,21.57 48.81,21.73 49.03,21.85 49.26,21.95 49.5,22.02 49.75,22.06 50,22.07 50.25,22.06 50.49,22.01 50.73,21.93 50.96,21.82 51.17,21.69 51.36,21.53 51.53,21.35 51.68,21.16 51.8,20.94 51.9,20.72 51.96,20.48 52,20.24 52.01,20 51.99,19.76 51.94,19.52 51.87,19.29 51.76,19.07 51.64,18.87 51.48,18.68 51.31,18.52 51.12,18.38 50.92,18.26 50.7,18.16 50.47,18.1 50.24,18.06 50,18.05 49.75,18.07 49.5,18.13 49.26,18.21 49.04,18.33 48.83,18.47 48.64,18.64 48.48,18.84 48.35,19.05 48.24,19.27 48.17,19.51 48.12,19.75 48.11,20 48.13,20.25 48.19,20.49 48.27,20.72 48.38,20.93 48.52,21.13 48.69,21.31 48.87,21.47 49.08,21.6 49.3,21.7 49.52,21.77 49.76,21.81 50,21.82 50.24,21.8 50.47,21.75 50.69,21.67 50.9,21.56 51.1,21.43 51.27,21.27 51.42,21.09 51.54,20.89 51.64,20.68 51.71,20.46 51.75,20.23 51.76,20 51.74,19.77 51.69,19.55 51.61,19.33 51.51,19.13 51.38,18.94 51.22,18.78 51.05,18.63 50.86,18.51 50.66,18.41 50.44,18.35 50.22,18.31 50,18.3 49.76,18.32 49.52,18.38 49.3,18.47 49.09,18.59 48.91,18.74 48.74,18.91 48.6,19.1 48.49,19.31 48.42,19.54 48.37,19.77 48.36,20 48.38,20.23 48.44,20.46 48.53,20.67 48.64,20.87 48.78,21.05 48.95,21.21 49.14,21.34 49.34,21.45 49.55,21.52 49.78,21.56 50,21.57 50.22,21.55 50.44,21.5 50.65,21.42 50.84,21.31 51.01,21.17 51.16,21.01 51.29,20.83 51.39,20.64 51.46,20.43 51.5,20.22 51.51,20 51.49,19.79 51.44,19.58 51.36,19.38 51.25,19.19 51.12,19.03 50.97,18.88 50.8,18.76 50.61,18.67 50.41,18.6 50.21,18.56 50,18.55 50,18.6 49.63,18.97 49.59,18.98